# Allegro board pc051c_toplevel_209edited.brd (continued)
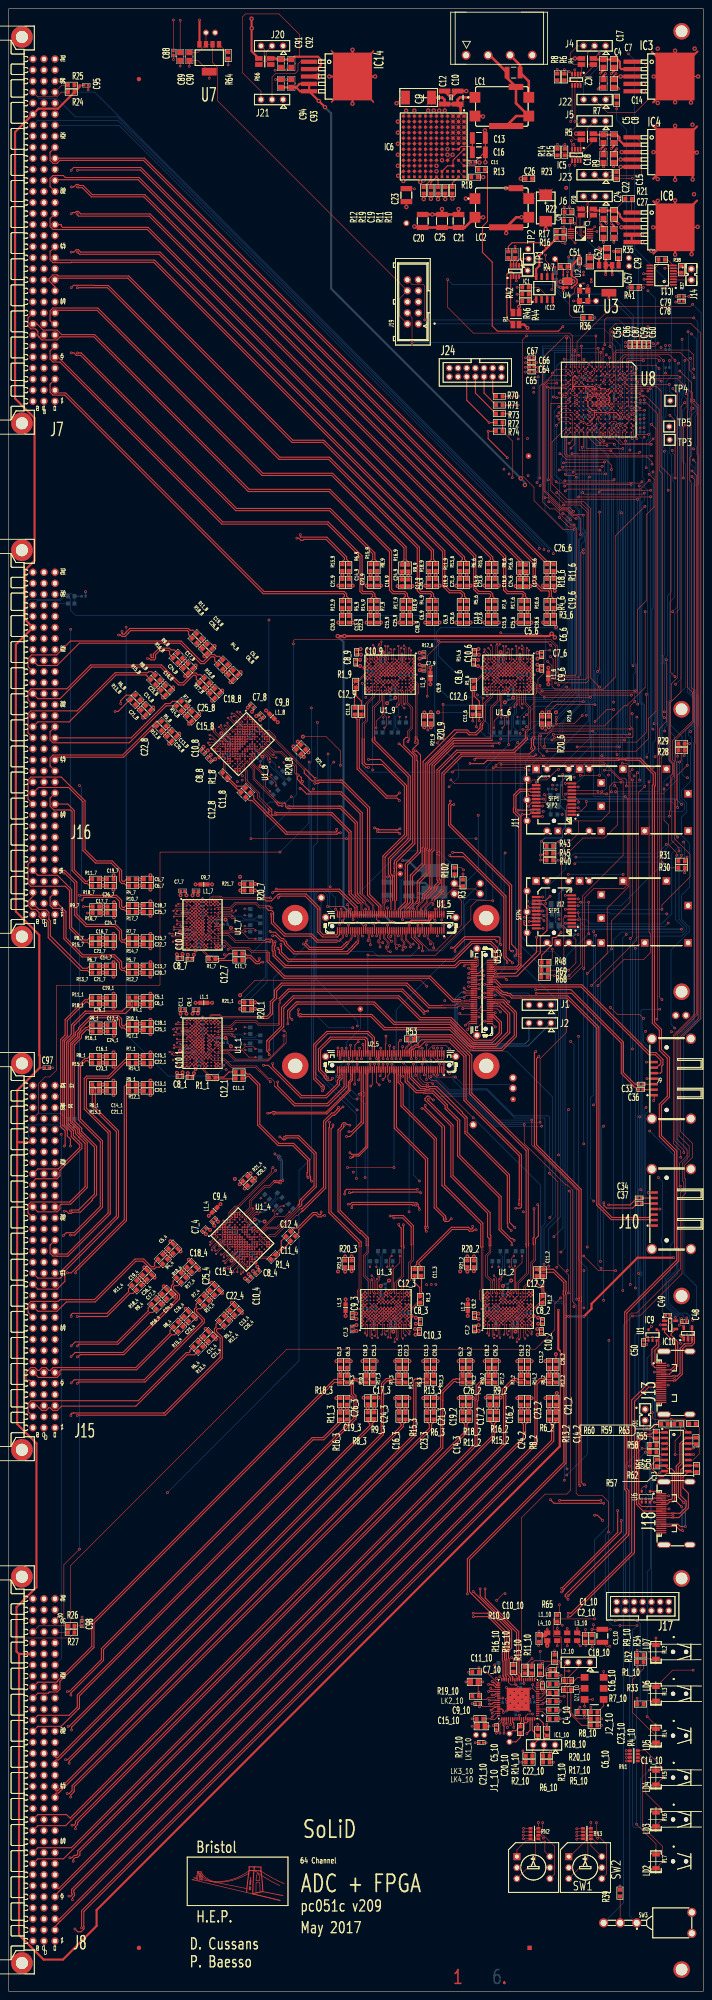
[diagram p0: board, top side]
## Routing (per net, layer and track width the routed paths; a pad name or vN(x,y) marks a point on that pad's centre or on a via; arc(x,y) is an arc through that point) (continued)
SFP_SCL<0>: length 116.3
  TOP w0.13: J11.5 128.7,273.93 127.62,275.01 v1(127.62,279.99) ; v1(138.94,358.3) 138.95,358.3 U8.E16 ; R43.1 126.35,264.5 v1(126.75,264.5)
  L3 w0.13: v1(127.62,279.99) 127.62,272.43 128.2,271.85 128.2,268.15 127.8,267.75 127.8,265.55 v1(126.75,264.5)
  BOTTOM w0.13: v1(138.94,358.3) 138.85,358.3 137.35,359.8 137.35,360.45 136.94,360.86 136.1,360.86 135.71,360.47 135.71,358.73 135.16,358.19 135.16,304.07 134.99,303.89 134.99,297.24 134.05,296.3 134.05,286.39 130.4,282.74 130.4,280.34 130.06,279.99 v1(127.62,279.99)
SFP_SCL<1>: length 164.5
  TOP w0.13: R68.1 124.5,233.7 v1(125.7,233.7) ; U8.G16 137.4,357.72 v1(137.47,357.64) ; v1(129.05,233.7) 131.7,236.35 131.7,246.9 131.18,247.42 v1(131.18,248.18)
  TOP w0.18: J12.5 v1(131.18,248.18)
  L3 w0.13: v1(129.05,233.7) v1(125.7,233.7)
  L4 w0.13: v1(137.47,357.64) 137.47,357.27 141.65,353.09 141.65,298.73 142.93,297.45 149.45,297.45 152.86,294.04 152.86,252.66 151.6,251.4 v1(151.6,247.9)
  BOTTOM w0.13: v1(131.18,248.18) 133.93,248.18 134.05,248.3 138.3,248.3 138.7,247.9 v1(151.6,247.9)
SFP_SDA<0>: length 124.3
  TOP w0.13: v1(141.03,278.23) 139.34,278.23 138.34,277.23 138.34,271.24 136.4,269.3 131.2,269.3 ; v1(138.5,357.71) 138.4,357.81 U8.F16 ; J11.4 128.91,273.13 128.51,272.73 128.51,270.37 129.57,269.3 131.2,269.3 ; 131.2,269.3 131.2,266.45 126.6,261.85 R45.1
  L4 w0.13: v1(145.25,346.4) 144.89,346.76 144.89,353.91 143.1,355.7 140.51,355.7 v1(138.5,357.71)
  BOTTOM w0.13: v1(141.03,278.23) 141.06,278.2 145.56,278.2 145.85,278.49 145.85,283.05 145.8,283.09 145.8,295.98 145.34,296.44 145.34,296.87 145.34,346.31 v1(145.25,346.4)
SFP_SDA<1>: length 141.5
  TOP w0.13: v1(128.95,234.95) 130.65,236.65 130.65,242.07 127.72,245 127.72,246.88 v1(128.22,247.38) ; U8.H16 136.4,357.45 v1(137.1,356.75) ; v1(126.85,234.95) 124.25,234.95 R69.1
  TOP w0.18: J12.4 v1(128.22,247.38)
  L3 w0.13: v1(128.95,234.95) v1(126.85,234.95)
  L4 w0.13: v1(138.15,279.85) 137.53,280.48 136.07,280.48 134.22,278.62 134.22,269.37 132.6,267.75 132.6,247.93 132.05,247.38 v1(128.22,247.38)
  BOTTOM w0.13: v1(137.1,356.75) 137.1,354.6 138.26,353.44 138.26,279.96 v1(138.15,279.85)
SFP_TX_FAULT<0>: length 165.3
  TOP w0.13: v1(156.3,282.11) 154.11,279.92 154.11,274.13 154.1,274.12 v1(154.1,272.4) ; v1(139,381.86) 139,373.35 U8.F2 ; J11.2 131.78,271.53 133.05,272.81 v1(133.05,273.78)
  L4 w0.13: v1(156.48,381.86) 156.47,381.85 144.09,381.85 144.08,381.86 v1(139,381.86)
  BOTTOM w0.13: v1(133.05,273.78) 152.72,273.78 v1(154.1,272.4) ; v1(156.3,282.11) 156.3,285.3 155.85,285.75 155.85,290.07 157.65,291.87 157.65,297.6 156.3,298.95 156.3,363.6 156.55,363.85 156.55,381.8 v1(156.48,381.86)
SFP_TX_FAULT<1>: length 186.5
  TOP w0.13: U8.H3 136.76,372.12 v1(136.85,372.12)
  TOP w0.18: J12.2 v1(128.22,245.78)
  L4 w0.13: v1(157.05,375.75) 155.84,376.96 138.06,376.96 v1(137.65,376.55) ; v1(157.05,289.85) 153.38,286.18 153.38,247.28 v1(151.9,245.8)
  BOTTOM w0.13: v1(137.65,376.55) 136.01,374.91 136.01,372.95 v1(136.85,372.12) ; v1(151.9,245.8) 151.1,245 132.75,245 132.15,245.6 131.1,245.6 130.9,245.4 128.6,245.4 v1(128.22,245.78) ; v1(157.05,289.85) 157.65,290.45 157.65,291.13 158.17,291.65 158.17,297.81 157.65,298.33 157.65,298.65 157.31,298.99 157.31,346.51 157.9,347.1 157.9,350.61 157.07,351.44 157.07,362.42 158.11,363.46 158.11,364.71 157.2,365.61 157.2,375.6 v1(157.05,375.75)
SPI_CSN_FROM_FPGA: length 213.2
  TOP w0.13: U3_5.50 108.42,225.2 108.84,224.78 108.84,222.68 v1(107.85,221.69) ; v1(128.22,349.08) 128.53,348.77 130.32,348.77 130.7,349.15 v1(137.5,349.15) ; v1(113.4,282.35) 136.87,282.35 v1(137.11,282.1) ; U8.H1 v1(136.4,377.13)
  L4 w0.13: v1(125.46,366.87) 125.46,350.14 126.52,349.08 v1(128.22,349.08)
  BOTTOM w0.13: v1(136.4,377.13) 136.34,377.07 125.8,377.07 125.75,377.02 125.75,367.16 v1(125.46,366.87) ; v1(137.11,282.1) 137.11,283.73 137.5,284.12 v1(137.5,349.15) ; v1(107.85,221.69) 107.85,234.62 112.85,239.62 112.85,241.06 113.4,241.6 v1(113.4,282.35)
SPI_SCK_FROM_FPGA: length 178.5
  TOP w0.13: v1(147.76,368.75) 147.75,368.75 U8.A6 ; U1_5.96 76.75,248.8 v1(76.57,248.98)
  L4 w0.13: v1(148.66,291.67) 138.31,291.67 130.05,283.41 130.05,280.31 129.18,279.43 129.18,275.36 123.65,269.83 120.38,269.83 119.83,270.38 118.97,270.38 118.42,269.83 104.18,269.83 82.83,248.49 77.06,248.49 v1(76.57,248.98)
  BOTTOM w0.13: v1(148.66,291.67) 148.68,291.69 148.68,348.66 147.51,349.83 147.51,356.98 147.9,357.37 147.9,358.46 147.51,358.84 147.51,365.72 147.76,365.97 v1(147.76,368.75)
SPI_SDI_FROM_FPGA: length 194.8
  TOP w0.13: U8.A5 v1(152.15,369.75) ; v1(76.21,245.52) 76.25,245.57 U1_5.98
  L4 w0.13: v1(151.1,290) 150.19,290.91 138.62,290.91 130.31,282.6 130.31,279.95 130.21,279.85 130.01,279.85 129.43,279.27 129.43,269.73 127.99,268.28 103.91,268.28 98.02,262.4 97.4,262.4 82.85,247.85 79.17,247.85 76.85,245.52 v1(76.21,245.52)
  BOTTOM w0.13: v1(152.15,369.75) 152.15,368.25 153.45,366.95 153.45,362.65 153.85,362.25 153.85,356.8 152.15,355.11 152.15,354 152.65,353.5 152.65,322 151.75,321.1 151.75,307.34 151.02,306.61 151.02,305.83 151.65,305.2 151.65,296.9 151.57,296.82 151.57,291.21 151.1,290.74 v1(151.1,290)
SPI_SDO_FROM_ADC: length 187.2
  TOP w0.13: v1(108.91,226.54) 108.06,225.7 U3_5.48 ; v1(150.3,370.5) 150.05,370.75 U8.A4
  L4 w0.13: v1(150.65,287.34) 135.67,287.34 134.75,286.41 134.75,280.66 132.5,278.41 132.5,270.7 131.2,269.4 131.2,265.32 127.81,261.93 122.72,261.93 122.71,261.95 122.29,261.95 122.28,261.93 v1(114.34,261.93)
  BOTTOM w0.13: v1(114.34,261.93) 114.11,261.7 114.11,235.27 108.91,230.07 v1(108.91,226.54) ; v1(150.3,370.5) 150.3,369.75 150.26,369.71 150.26,307.45 150.24,307.42 150.24,305.51 150.26,305.49 150.26,287.72 v1(150.65,287.34)
SYNC_2V5: length 135.8
  TOP w0.13: v1(78.4,214.62) 78.25,214.77 U2_5.90 ; IC10.5 154.92,153.28 v1(154.47,153.28)
  L4 w0.13: v1(80.75,206.44) 80.65,206.44 79.75,205.54 79.75,202.59 84.39,197.95 v1(147.66,197.95)
  BOTTOM w0.13: v1(80.75,206.44) 81.36,207.04 81.36,211.2 78.4,214.16 v1(78.4,214.62) ; v1(154.47,153.28) 154.47,155.08 153.95,155.6 153.4,155.6 151.2,157.8 151.2,164.15 152.35,165.3 152.35,171.62 153.2,172.47 153.2,192.41 v1(147.66,197.95)
SYNC_IN_N: length 18.4
  TOP w0.25: J13.9 153.06,140.5 153.12,140.44 153.58,140.44 155.15,142.01 155.15,147.75 155.9,148.5 157.3,148.5 157.95,149.15 157.95,150.9 157.4,151.45 IC10.4
SYNC_IN_P: length 14.6
  TOP w0.25: J13.7 152.78,141.5 152.88,141.61 153.57,141.61 153.61,141.56 153.99,141.56 154.65,142.22 154.65,147.95 155.6,148.91 155.6,148.91 155.69,149 157.09,149 157.45,149.36 157.45,150.05 IC10.3
TCK: length 379.9
  TOP w0.13: U2_5.100 75.83,215.88 v1(75.83,217.06) ; v1(138.6,226.4) 140.25,224.75 145.35,224.75 v1(146.25,223.85) ; R62.2 v1(146.65,124.05) ; v1(126.97,353.8) 127.14,353.8 128.54,352.4 137.6,352.4 138.84,351.16 v1(138.84,350.15)
  TOP w0.25: v1(117.36,364.98) 113.78,364.98 R71.2
  L3 w0.25: v1(126.97,353.8) 120.76,353.8 v1(117.36,357.2)
  L4 w0.13: v1(75.83,217.06) 75.83,223.13 77.15,224.45 107.89,224.45 108.14,224.7 138.47,224.7 138.6,224.83 v1(138.6,226.4) 139.15,226.95 139.15,239.43 139.37,239.65 139.37,240.06 139.15,240.28 139.15,275.71 v1(138.84,276.03)
  L4 w0.25: v1(117.36,357.2) v1(117.36,364.98)
  BOTTOM w0.13: v1(138.84,350.15) v1(138.84,276.03) ; J17.6 144.05,121.45 v1(146.65,124.05) 146.65,126.18 145.15,127.68 145.15,151.58 145.24,151.67 145.24,164.21 145.86,164.83 145.86,165.46 145.44,165.87 145.44,183.56 146.1,184.22 146.1,184.63 145.9,184.82 145.9,200.72 146.09,200.9 146.09,201.53 145.9,201.72 145.9,223.5 v1(146.25,223.85)
TDO: length 341.4
  TOP w0.129: U6.5 145.82,115.71 146.29,116.18 v1(146.79,116.18)
  TOP w0.25: R73.2 v1(115.44,363) ; v1(114.84,352.86) 110.44,357.26 v1(110.44,358.97) 112.22,358.97 R74.2
  L3 w0.25: v1(157.69,352.36) 145.94,352.36 145.34,351.76 139.84,351.76 139.65,351.95 137.99,351.95 137.48,352.46 137.02,352.46 136.82,352.26 127.56,352.26 127.23,351.93 127.23,351.87 126.98,351.62 116.96,351.62 115.72,352.86 v1(114.84,352.86)
  L4 w0.13: v1(146.7,220.9) 152.55,220.9 v1(152.65,220.8)
  L4 w0.25: v1(110.44,358.97) 114.47,363 v1(115.44,363)
  BOTTOM w0.129: J17.8 146.05,110.24 147.46,111.65 147.46,113.97 146.79,114.64 v1(146.79,116.18) 146.79,116.52 147.62,117.35 147.62,131.17 148.77,132.32 148.77,136.65 146.49,138.93 146.49,149.06 146.62,149.19 146.62,201.79 147.5,202.67 147.5,217.15 146.25,218.4 146.25,220.45 v1(146.7,220.9)
  BOTTOM w0.13: 158.3,351.75 158.3,346.93 157.74,346.37 157.74,298.93 157.91,298.76 157.91,298.44 158.43,297.92 158.43,291.54 157.91,291.03 157.91,290.34 157.91,290.34 157.91,287.51 157.74,287.34 157.74,223.56 154.93,220.75 152.7,220.75 v1(152.65,220.8)
  BOTTOM w0.25: v1(157.69,352.36) 158.3,351.75
TEMP_ALARM_I: length 26.9
  TOP w0.13: U8.B2 142.8,373.15 142.8,375.12 142.93,375.25 v1(146.17,375.25) ; IC11.16 145.68,392.68 R41.1 v1(146.17,392.05)
  BOTTOM w0.13: v1(146.17,375.25) 146.05,375.37 146.05,391.93 v1(146.17,392.05)
TEMP_ALARM_LED_O: length 363.1
  TOP w0.13: v1(140.85,371.2) 141.3,370.75 U8.C4 ; LD5.1 149.1,61.16 v1(147.06,63.19)
  L4 w0.13: v1(141.35,381.37) 141.38,381.4 146.76,381.4 146.79,381.37 v1(157.25,381.37)
  BOTTOM w0.13: v1(147.06,63.19) 147.06,96.51 147.79,97.24 147.79,112.71 147.9,112.82 147.9,129.9 149.03,131.03 149.03,137.57 147.05,139.55 147.05,145.73 151.32,150 155.42,150 155.55,150.13 155.55,155.3 155.2,155.65 154.27,155.65 153.91,156.01 153.64,156.01 151.55,158.1 151.55,163.65 153.89,165.99 153.89,219.34 157.85,223.3 158,223.45 158,286.9 158.17,287.07 158.17,290.23 158.17,290.24 158.17,290.92 158.69,291.44 158.69,298.03 158.17,298.55 158.17,298.86 158.17,298.87 158.17,299.43 158,299.6 158,346.26 158.71,346.97 158.71,353.42 158.48,353.65 158.48,355.32 158.11,355.69 158.11,362.46 158.36,362.71 158.36,380.25 v1(157.25,381.37) ; v1(140.85,371.2) 141.35,371.7 v1(141.35,381.37)
TMS: length 458.9
  TOP w0.13: v1(151.52,306.4) 151.53,306.38 151.53,293.27 151.55,293.26 151.55,292.84 151.53,292.83 151.53,292.26 149.9,290.49 149.9,228.76 v1(150.47,228.19) ; R61.2 147,124.95 v1(145.9,124.95) ; v1(129.75,353.8) 145,353.8 v1(145.35,354.15) ; U2_5.94 v1(77.25,214.07)
  TOP w0.25: v1(117.39,367.02) 113.77,367.02 R70.2
  L3 w0.25: v1(129.75,353.8) 129.06,353.8 128.11,354.75 122.04,354.75 v1(119.5,357.29)
  L4 w0.13: v1(145.33,201.22) 119.42,201.22 118.7,200.5 82.55,200.5 v1(80.25,202.8) ; v1(151.52,306.4) 145.84,312.08 145.84,346.61 145.35,347.09 v1(145.35,354.15) ; v1(150.47,228.19) 150.47,222.78 149.35,221.66 145.99,221.66 145.69,221.36 145.69,217.36 144.09,215.75 121.19,215.75 120.77,216.18 82.16,216.18 80.75,214.77 80.75,214.27 80.55,214.07 79.89,214.07 79.4,213.57 78.99,213.57 78.49,214.07 v1(77.25,214.07)
  L4 w0.25: v1(119.5,357.29) 119.5,364.91 v1(117.39,367.02)
  BOTTOM w0.13: v1(80.25,202.8) 74.33,208.72 74.13,208.72 72.75,210.1 72.75,210.8 73.3,211.35 74.8,211.35 77.25,213.8 v1(77.25,214.07) ; J17.4 142.05,121.1 v1(145.9,124.95) 144.25,126.6 144.25,151.05 144.98,151.78 144.98,164.32 145.6,164.94 145.6,165.35 145.18,165.76 145.18,166.42 145.1,166.5 145.1,184.63 145.33,184.86 v1(145.33,201.22)
TRIG_2V5: length 130.9
  TOP w0.129: v1(153.6,155.05) 153.6,154.35 IC9.5
  TOP w0.13: v1(75.75,210.49) U2_5.99
  L4 w0.13: v1(149.65,187.24) v1(82.1,187.24)
  BOTTOM w0.13: v1(153.6,155.05) 153.25,155.05 152.55,155.75 151.15,155.75 150.64,156.26 150.64,172.12 150.42,172.34 150.42,173.26 150.64,173.48 150.64,186.25 v1(149.65,187.24) ; v1(75.75,210.49) 75.82,210.49 82.1,204.21 v1(82.1,187.24)
TRIG_IN_N: length 14.2
  TOP w0.25: J13.6 152.2,142 154.1,143.9 154.1,149.45 152.58,150.97 152.58,151.33 IC9.4
TRIG_IN_P: length 13.1
  TOP w0.25: IC9.3 151.05,151.65 153.6,149.1 153.6,144.11 152.49,143 J13.4
UNNAMED_1_LTM9007_I6_DCOA_1: length 11.2
  TOP w0.13: U1_1.G7 v4(46.25,218.95)
  L3 w0.13: v4(46.25,218.95) 46.7,218.5 47.23,218.5 49.38,220.65 54.05,220.65 v4(54.35,220.35)
  BOTTOM w0.13: v4(54.35,220.35) 54.4,220.3 R23_1.2
UNNAMED_1_LTM9007_I6_DCOA_1_1: length 10.4
  TOP w0.13: U1_1.G8 v4(47.05,218.95)
  L3 w0.13: v4(47.05,218.95) 49.1,221 53.51,221 v4(54.35,221.85)
  BOTTOM w0.13: R23_1.1 54.4,221.8 v4(54.35,221.85)
UNNAMED_1_LTM9007_I6_DCOA_1_2: length 10.4
  TOP w0.13: U1_2.G8 v4(114.25,159.4)
  L3 w0.13: v4(114.25,159.4) 112.19,161.46 112.19,165.85 v4(111.35,166.7)
  BOTTOM w0.13: R23_2.1 111.4,166.75 v4(111.35,166.7)
UNNAMED_1_LTM9007_I6_DCOA_1_3: length 10.4
  TOP w0.13: U1_3.G8 v4(86.1,159.4)
  L3 w0.13: v4(83.2,166.7) 84.05,165.85 84.05,161.46 v4(86.1,159.4)
  BOTTOM w0.13: v4(83.2,166.7) 83.25,166.75 R23_3.1
UNNAMED_1_LTM9007_I6_DCOA_1_4: length 10.4
  TOP w0.13: U1_4.G8 v4(54.93,175.26)
  L3 w0.13: v4(58.04,182.48) 58.04,181.28 54.93,178.17 v4(54.93,175.26)
  BOTTOM w0.13: R23_4.1 58.93,183.36 v4(58.04,182.48)
UNNAMED_1_LTM9007_I6_DCOA_1_6: length 10.4
  TOP w0.13: U1_6.G8 v4(115.8,300.55)
  L3 w0.13: v4(115.8,300.55) 117.86,298.5 117.86,294.1 v4(118.7,293.25)
  BOTTOM w0.13: R23_6.1 118.65,293.2 v4(118.7,293.25)
UNNAMED_1_LTM9007_I6_DCOA_1_7: length 10.4
  TOP w0.13: U1_7.G8 v4(47.05,246.2)
  L3 w0.13: v4(54.35,249.1) 53.51,248.25 49.1,248.25 v4(47.05,246.2)
  BOTTOM w0.13: v4(54.35,249.1) 54.4,249.05 R23_7.1
UNNAMED_1_LTM9007_I6_DCOA_1_8: length 10.4
  TOP w0.13: U1_8.G8 v4(56.11,285.87)
  L3 w0.13: v4(56.11,285.87) 59.02,285.87 62.13,282.76 v4(63.33,282.76)
  BOTTOM w0.13: v4(63.33,282.76) 63.33,282.69 R23_8.1
UNNAMED_1_LTM9007_I6_DCOA_1_9: length 10.4
  TOP w0.13: U1_9.G8 v4(88.65,300.55)
  L3 w0.13: v4(91.55,293.25) 90.7,294.1 90.7,298.5 v4(88.65,300.55)
  BOTTOM w0.13: v4(91.55,293.25) 91.5,293.2 R23_9.1
UNNAMED_1_LTM9007_I6_DCOA_2: length 11.2
  TOP w0.13: U1_2.G7 v4(114.25,158.6)
  L3 w0.13: v4(112.85,166.7) 112.55,166.4 112.55,161.73 114.69,159.58 114.69,159.04 v4(114.25,158.6)
  BOTTOM w0.13: R23_2.2 112.9,166.75 v4(112.85,166.7)
UNNAMED_1_LTM9007_I6_DCOA_3: length 11.2
  TOP w0.13: U1_3.G7 v4(86.1,158.6)
  L3 w0.13: v4(84.7,166.7) 84.4,166.4 84.4,161.73 86.55,159.58 86.55,159.04 v4(86.1,158.6)
  BOTTOM w0.13: v4(84.7,166.7) 84.75,166.75 R23_3.2
UNNAMED_1_LTM9007_I6_DCOA_4: length 11.2
  TOP w0.13: U1_4.G7 v4(54.37,174.7)
  L3 w0.13: v4(54.37,174.7) 54.99,174.7 55.38,175.08 55.38,178.11 58.68,181.41 v4(59.1,181.41)
  BOTTOM w0.13: R23_4.2 59.17,181.41 v4(59.1,181.41)
UNNAMED_1_LTM9007_I6_DCOA_6: length 11.2
  TOP w0.13: U1_6.G7 v4(115.8,301.35)
  L3 w0.13: v4(115.8,301.35) 115.36,300.9 115.36,300.37 117.5,298.22 117.5,293.55 v4(117.2,293.25)
  BOTTOM w0.13: R23_6.2 117.15,293.2 v4(117.2,293.25)
UNNAMED_1_LTM9007_I6_DCOA_7: length 11.2
  TOP w0.13: U1_7.G7 v4(46.25,246.2)
  L3 w0.13: v4(54.35,247.6) 54.05,247.9 49.38,247.9 47.23,245.75 46.7,245.75 v4(46.25,246.2)
  BOTTOM w0.13: R23_7.2 54.4,247.55 v4(54.35,247.6)
UNNAMED_1_LTM9007_I6_DCOA_8: length 11.2
  TOP w0.13: U1_8.G7 v4(55.55,286.43)
  L3 w0.13: v4(55.55,286.43) 55.55,285.81 55.93,285.42 58.96,285.42 62.26,282.12 v4(62.26,281.7)
  BOTTOM w0.13: R23_8.2 62.66,281.23 62.66,281.3 v4(62.26,281.7)
UNNAMED_1_LTM9007_I6_DCOA_9: length 11.2
  TOP w0.13: U1_9.G7 v4(88.65,301.35)
  L3 w0.13: v4(90.05,293.25) 90.35,293.55 90.35,298.22 88.2,300.37 88.2,300.9 v4(88.65,301.35)
  BOTTOM w0.13: R23_9.2 90,293.2 v4(90.05,293.25)
UNNAMED_1_LTM9007_I6_DCOB_1: length 11.6
  TOP w0.13: v4(51.55,220.15) 51.25,220.45 49.21,220.45 48.51,219.75 47.85,219.75 U1_1.F9
  BOTTOM w0.13: v4(51.55,220.15) 53.55,220.15 54.25,219.45 56.7,219.45 57.26,220 R25_1.2
UNNAMED_1_LTM9007_I6_DCOB_1_1: length 10.6
  TOP w0.13: U1_1.F10 48.65,219.35 49.37,220.07 50.93,220.07 51.35,219.65 v4(52.05,219.65)
  BOTTOM w0.13: R25_1.1 57.9,218.5 57.35,219.05 52.65,219.05 v4(52.05,219.65)
UNNAMED_1_LTM9007_I6_DCOB_1_2: length 10.6
  TOP w0.13: v4(113.55,164.4) 113.55,163.7 113.13,163.28 113.13,161.72 113.85,161 U1_2.F10
  BOTTOM w0.13: R25_2.1 114.7,170.25 114.15,169.7 114.15,165 v4(113.55,164.4)
UNNAMED_1_LTM9007_I6_DCOB_1_3: length 10.6
  TOP w0.13: U1_3.F10 85.7,161 84.98,161.72 84.98,163.28 85.4,163.7 v4(85.4,164.4)
  BOTTOM w0.13: v4(85.4,164.4) 86,165 86,169.7 86.55,170.25 R25_3.1
UNNAMED_1_LTM9007_I6_DCOB_1_4: length 10.6
  TOP w0.13: U1_4.F10 55.78,176.67 55.78,177.69 56.88,178.8 57.48,178.8 v4(57.97,179.29)
  BOTTOM w0.13: v4(57.97,179.29) 58.82,179.29 62.18,182.65 62.96,182.65
UNNAMED_1_LTM9007_I6_DCOB_1_6: length 10.6
  TOP w0.13: U1_6.F10 116.2,298.95 116.92,298.24 116.92,296.67 116.5,296.25 v4(116.5,295.55)
  BOTTOM w0.13: v4(116.5,295.55) 116.5,294.05 115.9,293.45 115.9,290.25 115.35,289.7 R25_6.1
UNNAMED_1_LTM9007_I6_DCOB_1_7: length 10.6
  TOP w0.13: U1_7.F10 48.65,246.6 49.37,247.32 50.93,247.32 51.35,246.9 v4(52.05,246.9)
  BOTTOM w0.13: v4(52.05,246.9) 52.65,246.3 57.35,246.3 57.9,245.75 R25_7.1
UNNAMED_1_LTM9007_I6_DCOB_1_8: length 10.6
  TOP w0.13: v4(60.14,282.83) 59.65,283.32 59.65,283.92 58.54,285.02 57.52,285.02 U1_8.F10
  BOTTOM w0.13: v4(60.14,282.83) 60.14,281.98 63.5,278.62 63.5,277.84
UNNAMED_1_LTM9007_I6_DCOB_1_9: length 10.6
  TOP w0.13: v4(89.35,295.55) 89.35,296.25 89.77,296.67 89.77,298.24 89.05,298.95 U1_9.F10
  BOTTOM w0.13: v4(89.35,295.55) 88.75,294.95 88.75,290.25 88.2,289.7 R25_9.1
UNNAMED_1_LTM9007_I6_DCOB_2: length 11.6
  TOP w0.13: v4(113.05,163.9) 112.75,163.6 112.75,161.56 113.45,160.86 113.45,160.2 U1_2.F9
  BOTTOM w0.13: R25_2.2 113.2,169.6 113.75,169.06 113.75,166.6 113.05,165.9 v4(113.05,163.9)
UNNAMED_1_LTM9007_I6_DCOB_3: length 11.6
  TOP w0.13: U1_3.F9 85.3,160.2 85.3,160.86 84.6,161.56 84.6,163.6 v4(84.9,163.9)
  BOTTOM w0.13: v4(84.9,163.9) 84.9,165.9 85.6,166.6 85.6,169.06 85.05,169.6 R25_3.2
UNNAMED_1_LTM9007_I6_DCOB_4: length 11.6
  TOP w0.13: v4(57.26,179.29) 56.84,179.29 55.4,177.85 55.4,176.86 54.93,176.39 U1_4.F9
  BOTTOM w0.13: v4(57.26,179.29) 58.68,180.71 59.67,180.71 61.4,182.44 61.4,183.22 R25_4.2
UNNAMED_1_LTM9007_I6_DCOB_6: length 11.6
  TOP w0.13: v4(117,296.05) 117.3,296.35 117.3,298.39 116.6,299.09 116.6,299.75 U1_6.F9
  BOTTOM w0.13: R25_6.2 116.85,290.35 116.3,290.89 116.3,293.35 117,294.05 v4(117,296.05)
UNNAMED_1_LTM9007_I6_DCOB_7: length 11.6
  TOP w0.13: U1_7.F9 47.85,247 48.51,247 49.21,247.7 51.25,247.7 v4(51.55,247.4)
  BOTTOM w0.13: R25_7.2 57.26,247.25 56.7,246.7 54.25,246.7 53.55,247.4 v4(51.55,247.4)
UNNAMED_1_LTM9007_I6_DCOB_8: length 11.6
  TOP w0.13: U1_8.F9 57.24,285.87 57.71,285.4 58.7,285.4 60.14,283.96 v4(60.14,283.54)
  BOTTOM w0.13: R25_8.2 63.78,278.9 61.56,281.13 61.56,282.12 v4(60.14,283.54)
UNNAMED_1_LTM9007_I6_DCOB_9: length 11.6
  TOP w0.13: U1_9.F9 89.45,299.75 89.45,299.09 90.15,298.39 90.15,296.35 v4(89.85,296.05)
  BOTTOM w0.13: v4(89.85,296.05) 89.85,294.05 89.15,293.35 89.15,290.89 89.7,290.35 R25_9.2
UNNAMED_1_LTM9007_I6_FRA_1: length 10.5
  TOP w0.13: U1_1.H7 v4(46.25,217.35)
  L3 w0.13: v4(46.25,217.35) 47.51,217.35 48.58,216.29 54.19,216.29 v4(54.5,216.6)
  BOTTOM w0.13: v4(54.5,216.6) R22_1.1
UNNAMED_1_LTM9007_I6_FRA_1_1: length 11.1
  TOP w0.13: U1_1.H8 v4(46.25,218.15)
  L3 w0.13: v4(46.25,218.15) 46.67,217.73 47.67,217.73 48.45,216.95 50.65,216.95 50.85,216.75 53.25,216.75 v4(54.35,217.85)
  BOTTOM w0.13: v4(54.35,217.85) 55.4,217.85 R22_1.2
UNNAMED_1_LTM9007_I6_FRA_1_2: length 11.1
  TOP w0.13: U1_2.H8 v4(115.05,158.6)
  L3 w0.13: v4(115.35,166.7) 116.45,165.6 116.45,161 115.47,160.02 115.47,159.02 v4(115.05,158.6)
  BOTTOM w0.13: R22_2.2 115.35,167.75 v4(115.35,166.7)
UNNAMED_1_LTM9007_I6_FRA_1_3: length 11.1
  TOP w0.13: U1_3.H8 v4(86.9,158.6)
  L3 w0.13: v4(87.2,166.7) 88.3,165.6 88.3,161 87.32,160.02 87.32,159.02 v4(86.9,158.6)
  BOTTOM w0.13: v4(87.2,166.7) 87.2,167.75 R22_3.2
UNNAMED_1_LTM9007_I6_FRA_1_4: length 11.1
  TOP w0.13: U1_4.H8 v4(54.93,174.13)
  L3 w0.13: v4(54.93,174.13) 55.53,174.13 56.23,174.84 57.62,174.84 60.87,178.09 v4(60.87,179.65)
  BOTTOM w0.13: R22_4.2 61.61,180.39 v4(60.87,179.65)
UNNAMED_1_LTM9007_I6_FRA_1_6: length 11.1
  TOP w0.13: U1_6.H8 v4(115,301.35)
  L3 w0.13: v4(115,301.35) 114.58,300.93 114.58,299.93 113.6,298.95 113.6,294.35 v4(114.7,293.25)
  BOTTOM w0.13: v4(114.7,293.25) 114.7,292.2 R22_6.2
UNNAMED_1_LTM9007_I6_FRA_1_7: length 11.1
  TOP w0.13: U1_7.H8 v4(46.25,245.4)
  L3 w0.13: v4(46.25,245.4) 46.67,244.98 47.67,244.98 48.65,244 53.25,244 v4(54.35,245.1)
  BOTTOM w0.13: R22_7.2 55.4,245.1 v4(54.35,245.1)
UNNAMED_1_LTM9007_I6_FRA_1_8: length 11.1
  TOP w0.13: U1_8.H8 v4(54.98,285.87)
  L3 w0.13: v4(60.5,279.93) 58.94,279.93 55.69,283.18 55.69,284.57 54.98,285.27 v4(54.98,285.87)
  BOTTOM w0.13: v4(60.5,279.93) 61.24,279.19 R22_8.2
UNNAMED_1_LTM9007_I6_FRA_1_9: length 11.1
  TOP w0.13: U1_9.H8 v4(87.85,301.35)
  L3 w0.13: v4(87.85,301.35) 87.43,300.93 87.43,299.93 86.45,298.95 86.45,294.35 v4(87.55,293.25)
  BOTTOM w0.13: R22_9.2 87.55,292.2 v4(87.55,293.25)
UNNAMED_1_LTM9007_I6_FRA_2: length 10.5
  TOP w0.13: U1_2.H7 v4(115.85,158.6)
  L3 w0.13: v4(116.6,166.85) 116.91,166.54 116.91,160.93 115.85,159.86 v4(115.85,158.6)
  BOTTOM w0.13: v4(116.6,166.85) R22_2.1
UNNAMED_1_LTM9007_I6_FRA_3: length 10.5
  TOP w0.13: U1_3.H7 v4(87.7,158.6)
  L3 w0.13: v4(87.7,158.6) 87.7,159.86 88.76,160.93 88.76,166.54 v4(88.45,166.85)
  BOTTOM w0.13: v4(88.45,166.85) R22_3.1
UNNAMED_1_LTM9007_I6_FRA_4: length 10.5
  TOP w0.13: U1_4.H7 v4(55.5,173.57)
  L3 w0.13: v4(55.5,173.57) 56.39,174.46 57.9,174.46 61.86,178.42 v4(61.86,178.87)
  BOTTOM w0.13: v4(61.86,178.87) R22_4.1
UNNAMED_1_LTM9007_I6_FRA_6: length 10.5
  TOP w0.13: U1_6.H7 v4(114.2,301.35)
  L3 w0.13: v4(113.45,293.1) 113.14,293.41 113.14,299.02 114.2,300.09 v4(114.2,301.35)
  BOTTOM w0.13: v4(113.45,293.1) R22_6.1
UNNAMED_1_LTM9007_I6_FRA_7: length 10.5
  TOP w0.13: U1_7.H7 v4(46.25,244.6)
  L3 w0.13: v4(46.25,244.6) 47.51,244.6 48.58,243.54 54.19,243.54 v4(54.5,243.85)
  BOTTOM w0.13: v4(54.5,243.85) R22_7.1
UNNAMED_1_LTM9007_I6_FRA_8: length 10.5
  TOP w0.13: U1_8.H7 v4(54.42,285.3)
  L3 w0.13: v4(54.42,285.3) 55.31,284.41 55.31,282.9 59.27,278.94 v4(59.72,278.94)
  BOTTOM w0.13: v4(59.72,278.94) R22_8.1
UNNAMED_1_LTM9007_I6_FRA_9: length 10.5
  TOP w0.13: U1_9.H7 v4(87.05,301.35)
  L3 w0.13: v4(86.3,293.1) 85.99,293.41 85.99,299.02 87.05,300.09 v4(87.05,301.35)
  BOTTOM w0.13: v4(86.3,293.1) R22_9.1
UNNAMED_1_LTM9007_I6_FRB_1: length 11.6
  TOP w0.13: v4(56.85,216.85) 56.35,217.35 54.45,217.35 53.85,216.75 49.01,216.75 48.41,217.34 47.84,217.34 U1_1.J9
  BOTTOM w0.13: R24_1.1 57.5,216.85 v4(56.85,216.85)
UNNAMED_1_LTM9007_I6_FRB_1_1: length 10.5
  TOP w0.13: v4(56.85,214.95) 55.35,214.95 53.85,216.45 48.75,216.45 U1_1.J10
  BOTTOM w0.13: R24_1.2 57.9,214.95 v4(56.85,214.95)
UNNAMED_1_LTM9007_I6_FRB_1_2: length 10.5
  TOP w0.13: U1_2.J10 116.75,161.1 116.75,166.2 118.25,167.7 v4(118.25,169.2)
  BOTTOM w0.13: R24_2.2 118.25,170.25 v4(118.25,169.2)
UNNAMED_1_LTM9007_I6_FRB_1_3: length 10.5
  TOP w0.13: v4(90.1,169.2) 90.1,167.7 88.6,166.2 88.6,161.1 U1_3.J10
  BOTTOM w0.13: R24_3.2 90.1,170.25 v4(90.1,169.2)
UNNAMED_1_LTM9007_I6_FRB_1_4: length 10.5
  TOP w0.13: v4(64.69,179.36) 63.63,178.3 61.51,178.3 57.9,174.7 U1_4.J10
  BOTTOM w0.13: R24_4.2 65.43,180.11 v4(64.69,179.36)
UNNAMED_1_LTM9007_I6_FRB_1_6: length 10.5
  TOP w0.13: U1_6.J10 113.3,298.85 113.3,293.75 111.8,292.25 v4(111.8,290.75)
  BOTTOM w0.13: v4(111.8,290.75) 111.8,289.7 R24_6.2
UNNAMED_1_LTM9007_I6_FRB_1_7: length 10.5
  TOP w0.13: U1_7.J10 48.75,243.7 53.85,243.7 55.35,242.2 v4(56.85,242.2)
  BOTTOM w0.13: v4(56.85,242.2) 57.9,242.2 R24_7.2
UNNAMED_1_LTM9007_I6_FRB_1_8: length 10.5
  TOP w0.13: v4(60.21,276.11) 59.15,277.17 59.15,279.29 55.55,282.9 U1_8.J10